# KiCad board MothBox_5.0.3.kicad_pcb
title: Mothbox Mainboard; date: 2025-11-04; rev: 5.0.3; company: Digital Natualisim Laboritory; note: and Parkview
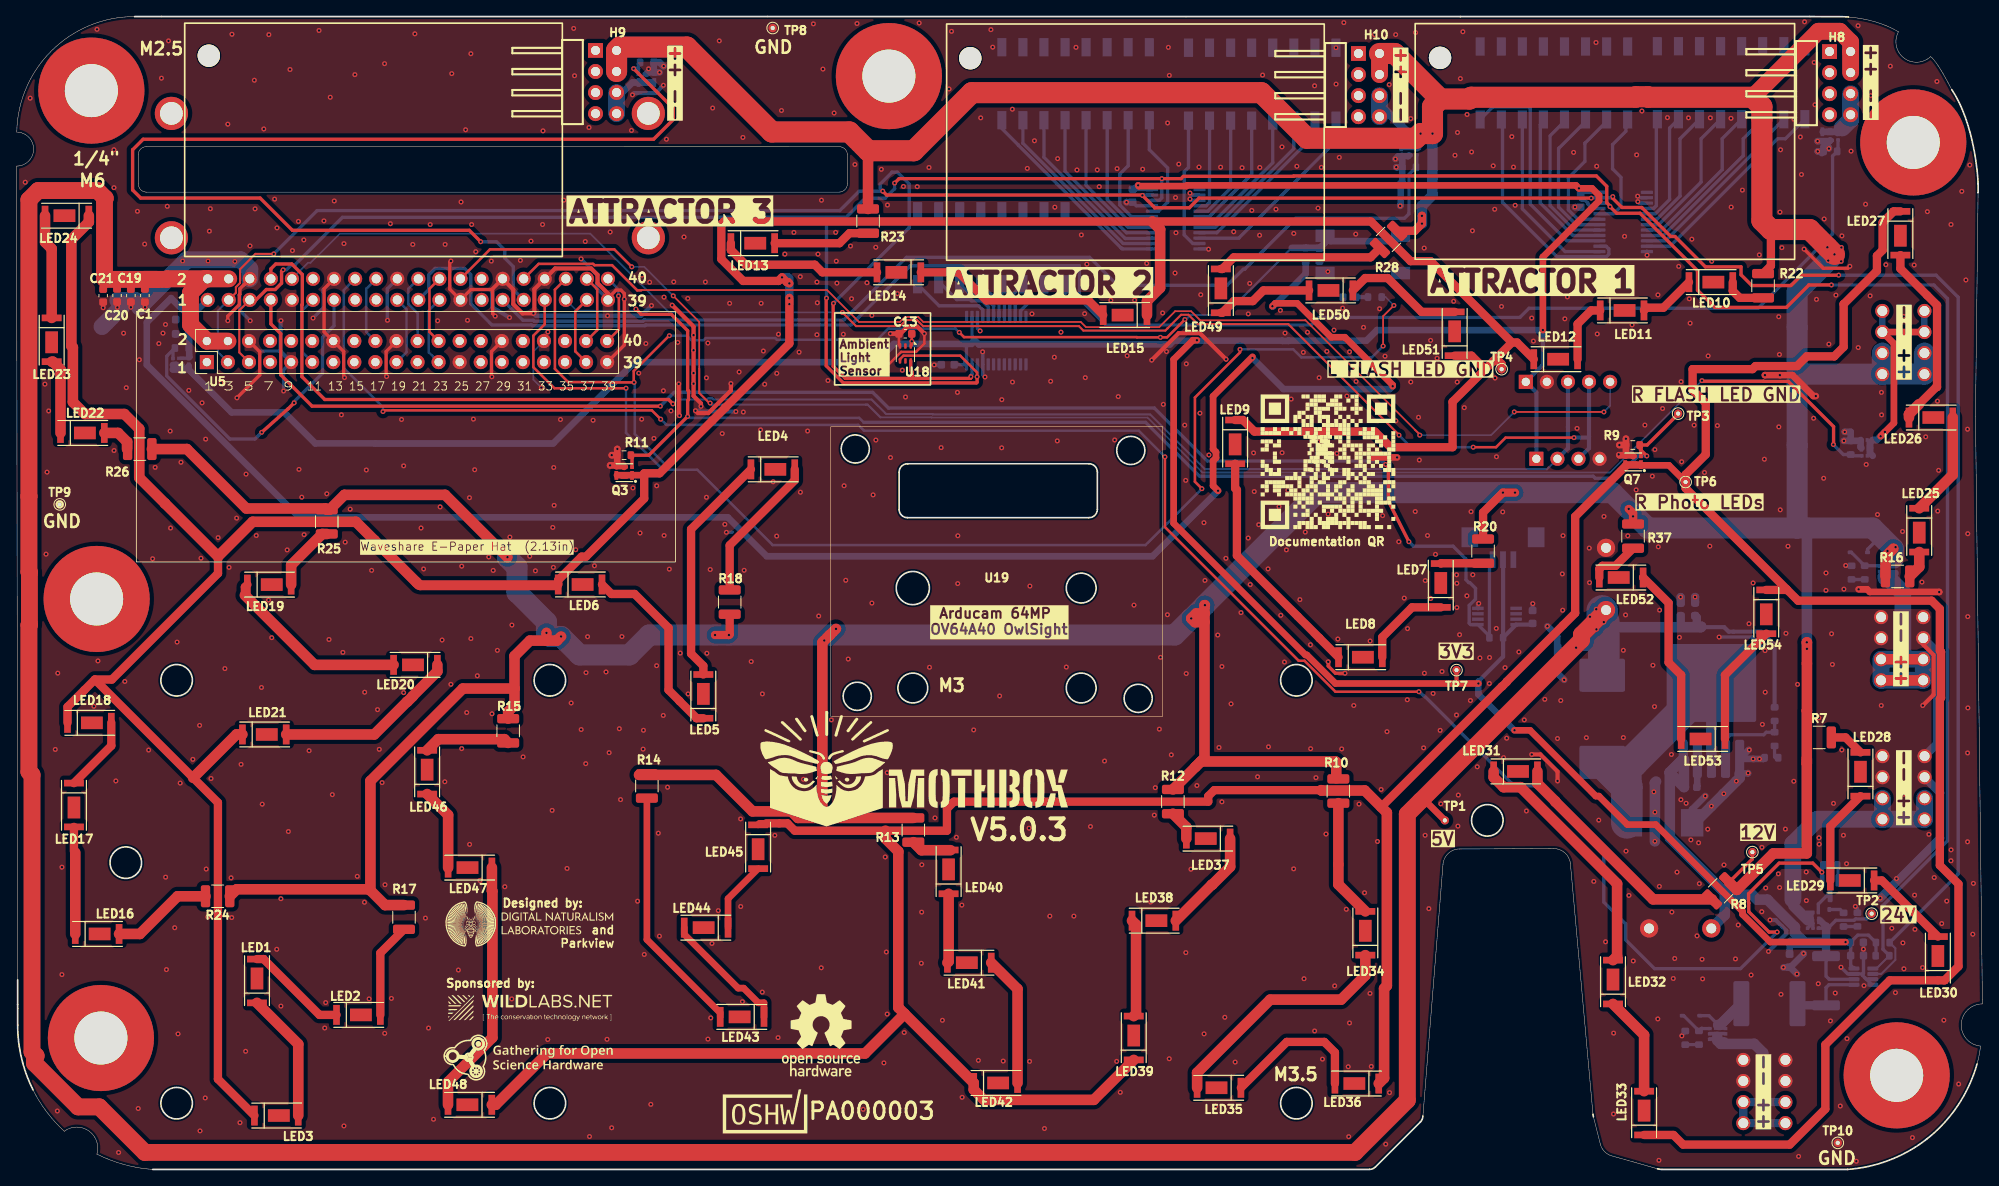
[diagram p0: board, top side]
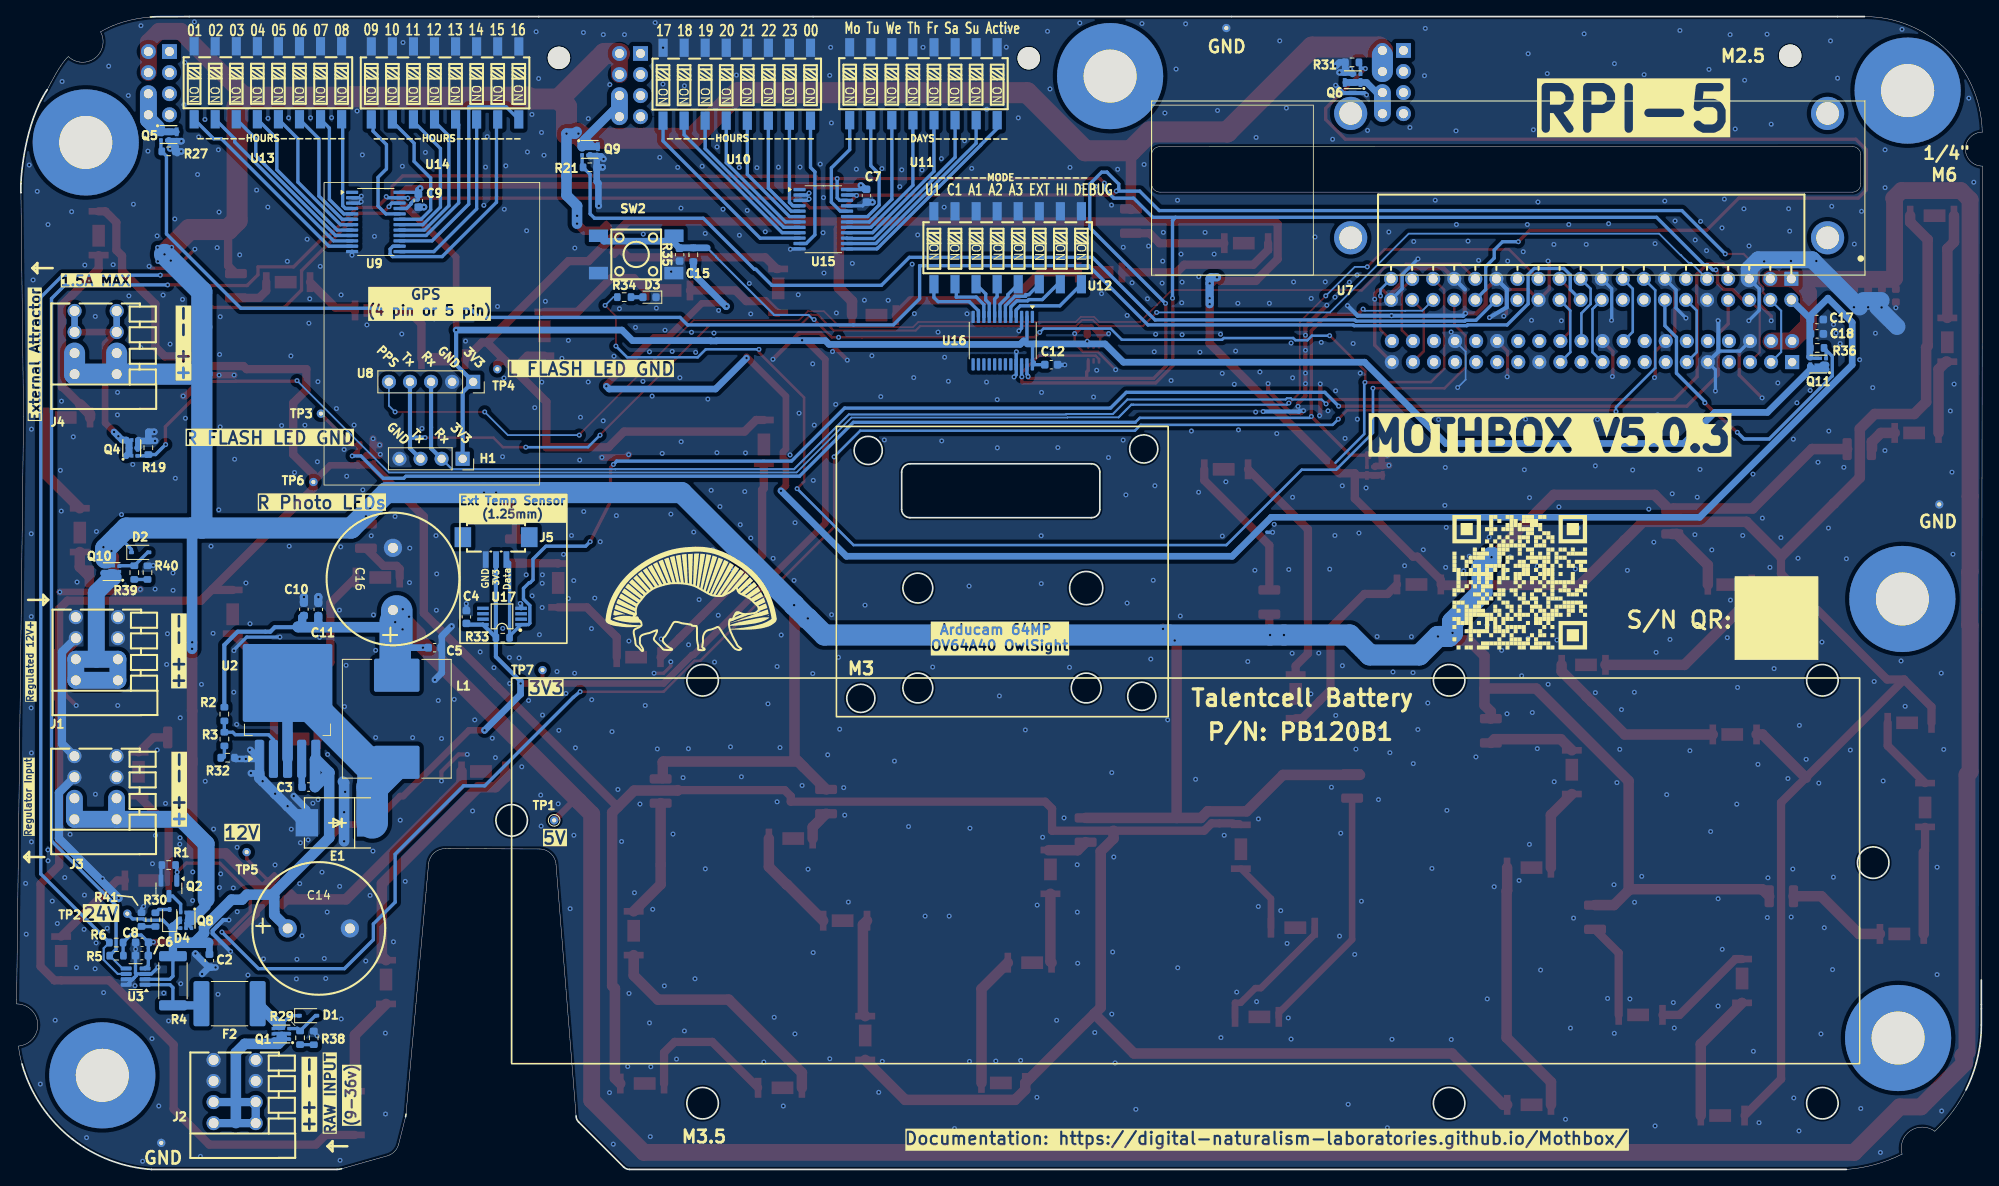
[diagram p1: board, bottom side, seen from below]

Outline 237 x 139.02 mm; copper layers: Top, Bottom. Coordinates in mm from the lower left corner of the outline.
Outline path: circle c13.16,36.99 r1.9 ; circle c19.29,58.99 r1.9 ; circle c19.29,7.99 r1.9 ; circle c64.29,58.99 r1.9 ; circle c64.29,7.99 r1.9 ; circle c154.29,58.99 r1.9 ; circle c154.29,7.99 r1.9 ; circle c177.31,42.09 r1.9 ; 0.13,17.41 0.13,22.84 0,120.99 arc(2.05,123.03) 0.02,125.09 arc(4.27,134.96) 14.22,139.02 17.47,139.02 90.51,139.02 140.96,139.02 174.08,139.02 216.18,139.02 ; 5.74,4.6 arc(8.71,4.64) 9.68,1.84 ; 16.4,0 163.1,0 arc(163.49,0.08) 163.81,0.29 169.26,5.74 arc(169.47,6.06) 169.55,6.44 171.97,36.8 arc(172.6,38.11) 173.96,38.64 185.33,38.69 arc(186.68,38.16) 187.33,36.86 190.05,6.66 arc(190.07,6.5) 190.1,6.35 190.93,3.06 arc(191.44,2.16) 192.33,1.63 197.82,0.08 arc(198.09,0.02) 198.36,0 220.73,0 ; 220.74,0 220.73,0 ; 230.76,134.2 arc(227.54,134.03) 226.88,137.18 ; 236.48,118.87 236.48,117.79 236.16,90.84 237,20.51 237,19.96 ; 236.78,14.87 arc(234.45,17.52) 237,19.96
Stack: Top 0.035mm / dielectric 1.51mm FR4 er 4.5 / Bottom 0.035mm

## Placement (name value [footprint] x y rotation side)
B1  graphic  [Talentcell]  96.01 35.49 0 bottom
C1  10uF  [C_0603_1608Metric]  15.47 105.39 270 top
C2  0.1uF 50V  [C_0603_1608Metric]  213.75 25.18 270 bottom
C3  0.1uF 50V  [C_0603_1608Metric]  201.8 46.11 0 bottom
C4  0.1uF  [C_0603_1608Metric]  182.77 66.62 270 bottom
C5  0.1uF 50V  [C_0603_1608Metric]  186.6 62.92 180 bottom
C6  0.1uF  [C_0603_1608Metric]  221.89 25.79 0 bottom
C7  0.1uF  [C_0603_1608Metric]  134.54 117.42 90 bottom
C8  10uF  [C_0603_1608Metric]  221.88 27.38 0 bottom
C9  0.1uF  [C_0603_1608Metric]  188.57 116.82 90 bottom
C10  10uF  [C_0603_1608Metric]  202.36 67.54 90 bottom
C11  10uF  [C_0603_1608Metric]  200.63 67.53 90 bottom
C12  0.1uF  [C_0603_1608Metric]  112.26 97.04 0 bottom
C13  0.1uF  [C_0603_1608Metric]  107.15 100.77 0 top
C14  1000uF 50V  [CAP-TH_BD16.0-P7.50-D1.2-FD]  200.57 29.06 180 bottom
C15  0.1uF  [C_0603_1608Metric]  157.07 110.31 270 bottom
C16  1000uF 50V  [CAP-TH_BD16.0-P7.50-D1.2-FD]  191.63 71.21 90 bottom
C17  10uF  [C_0603_1608Metric]  19.95 102.49 180 bottom
C18  10uF  [C_0603_1608Metric]  19.94 100.76 180 bottom
C19  10uF  [C_0603_1608Metric]  13.78 105.38 270 top
C20  10uF  [C_0603_1608Metric]  12.11 105.39 270 top
C21  10uF  [C_0603_1608Metric]  10.44 105.37 270 top
D1  6.8V  [D_SOD-323]  201.87 18.54 180 bottom
D2  6.8V  [D_SOD-323]  222.1 74.41 180 bottom
D3  Green  [LED_0603_1608Metric]  160.7 105.18 0 bottom
D4  6.8V  [D_SOD-323]  218.54 30.29 90 bottom
E1  SK54C  [SMC_L6.9-W5.9-LS8.0-RD]  198.31 41.79 0 bottom
F2  7A trip  [Fuse_2920_7451Metric]  211.32 19.99 0 bottom
H1  GPS 4 pin 2.54-1*4P  [PinSocket_1x04_P2.54mm_Vertical]  183.22 85.69 270 bottom
H2  MountingHole_1/4inbolt  [MountingHole_6.4mm_M6_Pad]  228.66 123.84 0 top
H3  MountingHole_1/4inbolt  [MountingHole_6.4mm_M6_Pad]  105.16 131.84 0 top
H4  MountingHole_1/4inbolt  [MountingHole_6.4mm_M6_Pad]  9.01 130.09 0 top
H5  MountingHole_1/4inbolt  [MountingHole_6.4mm_M6_Pad]  9.65 68.79 0 top
H6  MountingHole_1/4inbolt  [MountingHole_6.4mm_M6_Pad]  10.16 15.84 0 top
H7  MountingHole_1/4inbolt  [MountingHole_6.4mm_M6_Pad]  226.66 11.34 0 top
H8  PZ254R-12-8P  [HDR-TH_8P-P2.54-H-M-R2-C4-S2.54]  219.84 130.99 270 top
H9  PZ254R-12-8P  [HDR-TH_8P-P2.54-H-M-R2-C4-S2.54]  71.07 131.13 270 top
H10  PZ254R-12-8P  [HDR-TH_8P-P2.54-H-M-R2-C4-S2.54]  163.05 130.76 270 top
H11  M2.5  [MountingHole_2.7mm]  171.61 134.04 0 top
H12  M2.5  [MountingHole_2.7mm]  114.98 134 0 top
H13  M2.5  [MountingHole_2.7mm]  23.17 134.31 0 top
J1  DB141V-2.54-4P  [CONN-TH_4P-P2.54_DIBO_DB141V-2.54-4P]  227.32 62.79 270 bottom
J2  DB141V-2.54-4P  [CONN-TH_4P-P2.54_DIBO_DB141V-2.54-4P]  210.71 9.39 270 bottom
J3  DB141V-2.54-4P  [CONN-TH_4P-P2.54_DIBO_DB141V-2.54-4P]  227.49 46.03 270 bottom
J4  DB141V-2.54-4P  [CONN-TH_4P-P2.54_DIBO_DB141V-2.54-4P]  227.47 99.71 270 bottom
J5  Conn_1.25mm  [CONN-SMD_3P-P1.25_DF13C-3P-1.25V]  179.2 74.89 0 bottom
L1  5A 47uH  [L_Chilisin_BMRG00131360]  191.16 54.34 90 bottom
LED1  XL-5730UWC-05  [LED-SMD_3P-L5.7-W3.0-RD]  28.98 22.72 90 top
LED2  XL-5730UWC-05  [LED-SMD_3P-L5.7-W3.0-RD]  41.21 18.63 0 top
LED3  XL-5730UWC-05  [LED-SMD_3P-L5.7-W3.0-RD]  31.31 6.49 0 top
LED4  XL-5730UWC-05  [LED-SMD_3P-L5.7-W3.0-RD]  91.17 84.42 0 top
LED5  XL-5730UWC-05  [LED-SMD_3P-L5.7-W3.0-RD]  82.8 57.04 90 top
LED6  XL-5730UWC-05  [LED-SMD_3P-L5.7-W3.0-RD]  67.94 70.54 0 top
LED7  XL-5730UWC-05  [LED-SMD_3P-L5.7-W3.0-RD]  171.7 70.42 90 top
LED8  XL-5730UWC-05  [LED-SMD_3P-L5.7-W3.0-RD]  162.01 61.77 0 top
LED9  XL-5730UWC-05  [LED-SMD_3P-L5.7-W3.0-RD]  146.91 87.73 270 top
LED10  XL-5730UWC-05  [LED-SMD_3P-L5.7-W3.0-RD]  204.26 107 0 top
LED11  XL-5730UWC-05  [LED-SMD_3P-L5.7-W3.0-RD]  193.56 103.59 0 top
LED12  XL-5730UWC-05  [LED-SMD_3P-L5.7-W3.0-RD]  185.55 97.7 0 top
LED13  XL-5730UWC-05  [LED-SMD_3P-L5.7-W3.0-RD]  88.75 111.69 0 top
LED14  XL-5730UWC-05  [LED-SMD_3P-L5.7-W3.0-RD]  106.37 108.18 180 top
LED15  XL-5730UWC-05  [LED-SMD_3P-L5.7-W3.0-RD]  133.64 103.02 180 top
LED16  XL-5730UWC-05  [LED-SMD_3P-L5.7-W3.0-RD]  9.71 28.39 0 top
LED17  XL-5730UWC-05  [LED-SMD_3P-L5.7-W3.0-RD]  6.91 43.94 270 top
LED18  XL-5730UWC-05  [LED-SMD_3P-L5.7-W3.0-RD]  8.78 53.85 0 top
LED19  XL-5730UWC-05  [LED-SMD_3P-L5.7-W3.0-RD]  30.46 70.52 0 top
LED20  XL-5730UWC-05  [LED-SMD_3P-L5.7-W3.0-RD]  48.09 60.84 180 top
LED21  XL-5730UWC-05  [LED-SMD_3P-L5.7-W3.0-RD]  29.86 52.45 0 top
LED22  XL-5730UWC-05  [LED-SMD_3P-L5.7-W3.0-RD]  7.93 88.81 0 top
LED23  XL-5730UWC-05  [LED-SMD_3P-L5.7-W3.0-RD]  4.23 100.04 270 top
LED24  XL-5730UWC-05  [LED-SMD_3P-L5.7-W3.0-RD]  6.07 115.01 180 top
LED25  XL-5730UWC-05  [LED-SMD_3P-L5.7-W3.0-RD]  229.38 77.09 270 top
LED26  XL-5730UWC-05  [LED-SMD_3P-L5.7-W3.0-RD]  230.79 90.67 0 top
LED27  XL-5730UWC-05  [LED-SMD_3P-L5.7-W3.0-RD]  227.11 112.9 270 top
LED28  XL-5730UWC-05  [LED-SMD_3P-L5.7-W3.0-RD]  222.3 47.65 90 top
LED29  XL-5730UWC-05  [LED-SMD_3P-L5.7-W3.0-RD]  221.3 34.84 180 top
LED30  XL-5730UWC-05  [LED-SMD_3P-L5.7-W3.0-RD]  231.63 25.44 90 top
LED31  XL-5730UWC-05  [LED-SMD_3P-L5.7-W3.0-RD]  180.71 47.99 0 top
LED32  XL-5730UWC-05  [LED-SMD_3P-L5.7-W3.0-RD]  192.46 22.59 90 top
LED33  XL-5730UWC-05  [LED-SMD_3P-L5.7-W3.0-RD]  196.21 6.79 90 top
LED34  XL-5730UWC-05  [LED-SMD_3P-L5.7-W3.0-RD]  162.6 28.48 90 top
LED35  XL-5730UWC-05  [LED-SMD_3P-L5.7-W3.0-RD]  144.96 9.84 180 top
LED36  XL-5730UWC-05  [LED-SMD_3P-L5.7-W3.0-RD]  161.58 10.36 180 top
LED37  XL-5730UWC-05  [LED-SMD_3P-L5.7-W3.0-RD]  143.66 39.89 180 top
LED38  XL-5730UWC-05  [LED-SMD_3P-L5.7-W3.0-RD]  137.11 29.99 0 top
LED39  XL-5730UWC-05  [LED-SMD_3P-L5.7-W3.0-RD]  134.69 15.84 90 top
LED40  XL-5730UWC-05  [LED-SMD_3P-L5.7-W3.0-RD]  112.36 35.88 90 top
LED41  XL-5730UWC-05  [LED-SMD_3P-L5.7-W3.0-RD]  114.86 24.93 180 top
LED42  XL-5730UWC-05  [LED-SMD_3P-L5.7-W3.0-RD]  118.04 10.43 0 top
LED43  XL-5730UWC-05  [LED-SMD_3P-L5.7-W3.0-RD]  87.47 18.39 180 top
LED44  XL-5730UWC-05  [LED-SMD_3P-L5.7-W3.0-RD]  83.13 29.15 180 top
LED45  XL-5730UWC-05  [LED-SMD_3P-L5.7-W3.0-RD]  89.4 38.91 270 top
LED46  XL-5730UWC-05  [LED-SMD_3P-L5.7-W3.0-RD]  49.5 47.9 90 top
LED47  XL-5730UWC-05  [LED-SMD_3P-L5.7-W3.0-RD]  54.66 36.39 180 top
LED48  XL-5730UWC-05  [LED-SMD_3P-L5.7-W3.0-RD]  54.65 7.79 180 top
LED49  XL-5730UWC-05  [LED-SMD_3P-L5.7-W3.0-RD]  145.19 105.95 90 top
LED50  XL-5730UWC-05  [LED-SMD_3P-L5.7-W3.0-RD]  158.46 106 180 top
LED51  XL-5730UWC-05  [LED-SMD_3P-L5.7-W3.0-RD]  173.38 100.77 90 top
LED52  XL-5730UWC-05  [LED-SMD_3P-L5.7-W3.0-RD]  193.45 71.38 180 top
LED53  XL-5730UWC-05  [LED-SMD_3P-L5.7-W3.0-RD]  203.32 51.91 180 top
LED54  XL-5730UWC-05  [LED-SMD_3P-L5.7-W3.0-RD]  210.94 67.24 270 top
Q1  JMTV210P02A  [U-DFN2020-6_L2.0-W2.0-P0.65-BL]  205.08 16.36 90 bottom
Q2  AO3400A  [SOT-23]  218.64 33.9 270 bottom
Q3  YJQ10N2A  [U-DFN2020-6_L2.0-W2.0-P0.65-BL]  73.25 84.04 90 top
Q4  YJQ10N2A  [U-DFN2020-6_L2.0-W2.0-P0.65-BL]  223.1 87.01 180 bottom
Q5  YJQ10N2A  [U-DFN2020-6_L2.0-W2.0-P0.65-BL]  218.65 124.78 270 bottom
Q6  YJQ10N2A  [U-DFN2020-6_L2.0-W2.0-P0.65-BL]  75.93 131.43 90 bottom
Q7  YJQ10N2A  [U-DFN2020-6_L2.0-W2.0-P0.65-BL]  194.89 85.34 90 top
Q8  JMTV210P02A  [U-DFN2020-6_L2.0-W2.0-P0.65-BL]  216.59 30.04 0 bottom
Q9  YJQ10N2A  [U-DFN2020-6_L2.0-W2.0-P0.65-BL]  167.87 122.98 270 bottom
Q10  JMTV210P02A  [U-DFN2020-6_L2.0-W2.0-P0.65-BL]  225.57 72.12 90 bottom
Q11  JMTV210P02A  [U-DFN2020-6_L2.0-W2.0-P0.65-BL]  19.8 97.14 90 bottom
R1  10K  [R_0603_1608Metric]  218.66 36.7 0 bottom
R2  10K  [R_0603_1608Metric]  211.95 54.91 270 bottom
R3  3.0K  [R_0603_1608Metric]  211.95 51.9 270 bottom
R4  0.033R/1%  [R_2512_6332Metric]  218.15 22.75 270 bottom
R5  4.7K  [R_0603_1608Metric]  224.95 25.77 180 bottom
R6  4.7K  [R_0603_1608Metric]  224.99 27.36 180 bottom
R7  18R  [R_1210_3225Metric]  217.32 52.09 0 top
R8  18R  [R_1210_3225Metric]  205.43 33.6 225 top
R9  10K  [R_0603_1608Metric]  194.86 87.36 180 top
R10  18R  [R_1210_3225Metric]  159.35 45.63 270 top
R11  10K  [R_0603_1608Metric]  73.23 86.13 180 top
R12  18R  [R_1210_3225Metric]  139.41 44.36 270 top
R13  18R  [R_1210_3225Metric]  108.11 40.92 270 top
R14  18R  [R_1210_3225Metric]  75.99 46.24 270 top
R15  18R  [R_1210_3225Metric]  59.26 52.89 270 top
R16  18R  [R_1210_3225Metric]  226.78 71.51 0 top
R17  18R  [R_1210_3225Metric]  46.71 30.41 270 top
R18  18R  [R_1210_3225Metric]  85.97 68.41 90 top
R19  10K  [R_0603_1608Metric]  221.12 87.03 90 bottom
R20  18R  [R_1210_3225Metric]  176.8 74.56 270 top
R21  10K  [R_0603_1608Metric]  167.88 120.85 180 bottom
R22  18R  [R_1210_3225Metric]  210.55 106.56 270 top
R23  18R  [R_1210_3225Metric]  102.65 114.36 270 top
R24  18R  [R_1210_3225Metric]  24.24 32.94 180 top
R25  18R  [R_1210_3225Metric]  37.39 78.1 270 top
R26  18R  [R_1210_3225Metric]  14.85 86.87 180 top
R27  10K  [R_0603_1608Metric]  218.67 122.77 180 bottom
R28  18R  [R_1210_3225Metric]  165.4 112.15 225 top
R29  10K  [R_0603_1608Metric]  202.83 15.87 270 bottom
R30  10K  [R_0603_1608Metric]  220.26 30.12 90 bottom
R31  10K  [R_0603_1608Metric]  75.99 133.5 0 bottom
R32  0R  [R_0603_1608Metric]  211.56 49.65 180 bottom
R33  4.7K  [R_0603_1608Metric]  178.39 64.12 180 bottom
R34  3.0K  [R_0603_1608Metric]  163.75 105.19 180 bottom
R35  10K  [R_0603_1608Metric]  155.41 110.31 90 bottom
R36  10K  [R_0603_1608Metric]  19.92 99.06 180 bottom
R37  18R  [R_1210_3225Metric]  194.88 76.37 270 top
R38  4.7K  [R_0603_1608Metric]  201.18 15.87 90 bottom
R39  10K  [R_0603_1608Metric]  222.81 71.98 270 bottom
R40  4.7K  [R_0603_1608Metric]  221.22 71.97 90 bottom
R41  4.7K  [R_0603_1608Metric]  221.94 30.13 270 bottom
SW2  KH-6X6X5H-STM  [SW-SMD_4P-L6.0-W6.0-P4.50-LS9.0_H5.0]  162.3 110.34 180 bottom
TP1  5V_test  [TestPoint_THTPad_D1.0mm_Drill0.5mm]  172.19 42.09 180 bottom
TP2  24V_test  [TestPoint_THTPad_D1.0mm_Drill0.5mm]  223.65 30.84 0 top
TP3  LEDCTRL  [TestPoint_THTPad_D1.0mm_Drill0.5mm]  200.31 91.14 180 top
TP4  LED L GND  [TestPoint_THTPad_D1.0mm_Drill0.5mm]  179.04 96.5 0 top
TP5  12V_test  [TestPoint_THTPad_D1.0mm_Drill0.5mm]  209.27 38.26 0 top
TP6  LED R GND  [TestPoint_THTPad_D1.0mm_Drill0.5mm]  201.22 82.89 180 top
TP7  3.3V  [TestPoint_THTPad_D1.0mm_Drill0.5mm]  173.59 60.21 0 top
TP8  GND  [TestPoint_THTPad_D1.0mm_Drill0.5mm]  91.16 137.64 0 top
TP9  GND  [TestPoint_THTPad_D1.0mm_Drill0.5mm]  5.2 80.2 0 top
TP10  GND  [TestPoint_THTPad_D1.0mm_Drill0.5mm]  219.57 3.2 0 top
U2  XL4015E1  [TO-263-5_TabPin3]  204.33 57.16 90 bottom
U3  INA219BIDCNT  [SOT-23-8]  222.65 23.25 0 bottom
U5  RASPBERRY_PI_5  [EPAPER_PinHeader_2x20_P2.54mm_Vertical]  22.94 97.36 90 top
U6  RASPBERRY_PI_4B_4GB  [MODULE_RASPBERRY_PI_4B_4GB_Sideways]  57.16 120.84 0 bottom
U7  Female Inv Socket Pi 2.54-2*20  [HDR-TH_40P-P2.54-H-F-R2-C20-W8.5]  47.16 106.13 0 bottom
U8  GPs 5 pin PM2.54-1*5  [PinSocket_1x05_P2.54mm_Vertical]  181.95 94.97 270 bottom
U9  PCA9555PW  [TSSOP-24_4.4x7.8mm_P0.65mm]  193.69 114.25 180 bottom
U10  Days  [SW-SMD_SMXS-08K-TP]  150.18 130.87 0 bottom
U11  Hours3  [SW-SMD_SMXS-08K-TP]  127.67 130.93 0 bottom
U12  MODE  [SW-SMD_SMXS-08K-TP]  117.51 111.14 0 bottom
U13  Hours1  [SW-SMD_SMXS-08K-TP]  206.7 131.04 0 bottom
U14  Hours2  [SW-SMD_SMXS-08K-TP]  185.35 131.02 0 bottom
U15  PCA9555PW  [TSSOP-24_4.4x7.8mm_P0.65mm]  139.75 114.58 180 bottom
U16  PCA9555PW  [TSSOP-24_4.4x7.8mm_P0.65mm]  118.11 99.94 270 bottom
U17  DS18B20U  [MSOP-8_L3.0-W3.0-P0.65-LS4.9-BL]  178.47 66.68 90 bottom
U18  LTR-303ALS-01  [Lite-On_LTR-303ALS-01]  107.15 98.4 270 top
U19  graphic  [Arducam Owlsight]  118.16 71.84 180 top

## Library data of the parts
C1 C8 C10 C11 C17-C21 = -: Description: Unpolarized capacitor, small symbol; LCSC_Part: C19702; ki_fp_filters: C_*
C2 C3 C5 = -: Description: 50V 0.1uF X7R ±10% 0805 Multilayer Ceramic Capacitors MLCC - SMD/SMT ROHS; LCSC_Part: C14663; ki_fp_filters: C_*
C4 C7 C9 C12 C13 = -: Description: Unpolarized capacitor, small symbol; Digikey_Part_No: 311-1140-2-ND; LCSC_Part: C14663; ki_fp_filters: C_*
C6 C15 = -: Datasheet: https://lcsc.com/product-detail/Multilayer-Ceramic-Capacitors-MLCC-SMD-SMT_100nF-104-10-50V_C14663.html; Description: Unpolarized capacitor, small symbol; LCSC_Part: C14663; ki_fp_filters: C_*
C14 C16 = -: Datasheet: https://lcsc.com/product-detail/Aluminum-Electrolytic-Capacitors-Leaded_1000uF-20-50V_C106656.html; LCSC_Part: C106656; ki_fp_filters: CP_*
D1 D2 D4 = -: Description: Zener diode, small symbol; DESCRIPTION: BZT52C6V8S; LCSC_Part: C46641604; ki_fp_filters: TO-???* *_Diode_* *SingleDiode* D_*
D3 = -: LCSC: C72043; ki_fp_filters: LED* LED_SMD:* LED_THT:*
E1 = -: Description: Independent Type 5A 550mV@5A 40V SMC Diodes - General Purpose ROHS; MF: Taiwan Semiconductor; MAXIMUM_PACKAGE_HEIGHT: 2.65mm; Package: DO-214AB-2 Taiwan Semiconductor; Price: None; Check_prices: https://www.snapeda.com/parts/SK54C/taiwan/view-part/?ref=eda; STANDARD: Manufacturer Recommendations; PARTREV: S2311; SnapEDA_Link: https://www.snapeda.com/parts/SK54C/taiwan/view-part/?ref=snap; Description_1: 5A, 40V, Schottky Rectifier; Availability: In Stock; MANUFACTURER: Taiwan Semiconductor; LCSC_Part: C5449119
F2 = -: Description: Resettable fuse, polymeric positive temperature coefficient, small symbol; LCSC_Part: C22363536; ki_fp_filters: *polyfuse* *PTC*
H1 = -: LCSC_Part: C2718488
H2-H7 H11-H13 = -: Description: Mounting Hole without connection; ki_fp_filters: MountingHole*
H8-H10 = -: Datasheet: https://lcsc.com/product-detail/Pin-Header-Female-Header_XFCN-PZ254R-12-8P_C492432.html; LCSC_Part: C492432
J1-J4 = -: Description: Generic connector, single row, 01x04, script generated (kicad-library-utils/schlib/autogen/connector/); LCSC_Part: C2898746; ki_fp_filters: Connector*:*_1x??_*
J5 = -: Description: Generic connector, single row, 01x03, script generated; LCSC: C88352; ki_fp_filters: Connector*:*_1x??_*
L1 = -: Description: 5A 47uH Integrated molded inductor ±20% SMD,13.8x12.6x6.5mm Power Inductors ROHS; LCSC_Part: C497913; ki_fp_filters: Choke_* *Coil* Inductor_* L_*
LED1-LED54 = -: LCSC_Part: C2843887
Q1 Q8 Q10 Q11 = -: Datasheet: http://www.vishay.com/docs/70209/70209.pdf; Description: -4.0A Id, -30V Vds, P-Channel MOSFET, SOT-23; LCSC_Part: C2938482; ki_fp_filters: SOT?23*
Q2 = -: Datasheet: http://www.aosmd.com/pdfs/datasheet/AO3400A.pdf; Description: 30V Vds, 5.7A Id, N-Channel MOSFET, SOT-23; LCSC_Part: C2938367; ki_fp_filters: SOT?23*
Q3-Q7 Q9 = -: Description: 20V Vds, 10V Vgs, 13A Id, 9.5m Ohm, N-Channel MOSFET, DFN2020-3; LCSC_Part: C919558; ki_fp_filters: SOT?23*
R1 R2 R9 R11 R19 R21 R27 R29-R31 R33 R35 R36 = -: Description: Resistor, small symbol; LCSC_Part: C25804; ki_fp_filters: R_*
R3 R34 = -: Description: Resistor, small symbol; LCSC_Part: C4211; ki_fp_filters: R_*
R4 = -: LCSC_Part: C875726
R5 R6 = -: LCSC_Part: C23162
R7 R8 R10 R12-R18 R20 R22-R26 R28 R37 = -: Description: CL1210FN18RP; LCSC_Part: C48392080; ki_fp_filters: R_*
R32 = -: Description: Resistor, small symbol; LCSC_Part: C21189; ki_fp_filters: R_*
R38 R40 R41 = -: Description: Resistor, small symbol; LCSC Part: C2930027; LCSC_Part: C23162; ki_fp_filters: R_*
R39 = -: Description: Resistor, small symbol; LCSC Part: C2930027; LCSC_Part: C25804; ki_fp_filters: R_*
SW2 = -: LCSC Part: C455095
TP1-TP10 = -: Description: test point; ki_fp_filters: Pin* Test*
U2 = -: Datasheet: https://lcsc.com/product-detail/DC-DC-Converters_XL4015E1_C51661.html; MF: XLSEMI; MAXIMUM_PACKAGE_HEIGHT: 4.77mm; Package: None; Price: None; Check_prices: https://www.snapeda.com/parts/XL4015/XLSEMI/view-part/?ref=eda; STANDARD: Manufacturer Recommendations; PARTREV: 1.5; SnapEDA_Link: https://www.snapeda.com/parts/XL4015/XLSEMI/view-part/?ref=snap; MP: XL4015; Description_1: 5A 180KHz 36V Buck DC to DC Converter; Availability: Not in stock; MANUFACTURER: XLSEMI; LCSC_Part: C51661
U3 = -: Datasheet: https://lcsc.com/product-detail/PMIC-Current-Power-Monitors-Regulators_TI_INA219AIDCNR_INA219AIDCNR_C87469.html; LCSC_Part: C87469
U5 = -: MF: Raspberry Pi; LCSC_Part: C5224014
U6 = -: MF: Raspberry Pi; MAXIMUM_PACKAGE_HEIGHT: 16 mm; Package: None; Price: None; Check_prices: https://www.snapeda.com/parts/RASPBERRY%20PI%204B/4GB/Raspberry+Pi/view-part/?ref=eda; STANDARD: Manufacturer Recommendations; PARTREV: 4; SnapEDA_Link: https://www.snapeda.com/parts/RASPBERRY%20PI%204B/4GB/Raspberry+Pi/view-part/?ref=snap; MP: RASPBERRY PI 4B/4GB; Description_1: BCM2711 Raspberry Pi 4 Model B 4GB - ARM® Cortex®-A72 MPU Embedded Evaluation Board; Availability: Not in stock; SNAPEDA_PN: RASPBERRY PI 4B/4GB; Digikey_Part_No: SC1113
U7 = -: LCSC_Part: C2897440
U8 = -: LCSC_Part: C5116488
U9 U15 = -: LCSC_Part: C42420607
U10-U14 = -: LCSC_Part: C5439767
U16 = -: LCSC_Part: C42420607; LCSC: C128392
U17 = -: Datasheet: https://lcsc.com/product-detail/Temperature-Sensors_UMW-Youtai-Semiconductor-Co-Ltd-DS18B20U_C695836.html; LCSC Part: C695836
U18 = -: Datasheet: https://optoelectronics.liteon.com/upload/download/DS86-2013-0004/LTR-303ALS-01_DS_V1.pdf; Description: ambient light sensor, i2c interface, 0.01 to 64k lux, 2.4-3.6V; ki_fp_filters: Lite*On*LTR*303ALS*01*

## Footprints (pads in the part's own frame, mm; a bottom-side part is the same pattern mirrored in y, then rotated)
C_0603_1608Metric
  rrect 0.9x0.95 smd: 1(-0.775,0) 2(0.775,0)
CAP-TH_BD16.0-P7.50-D1.2-FD
  round 2.2 hole 1.2: 1(-3.75,0) 2(3.75,0)
CONN-SMD_3P-P1.25_DF13C-3P-1.25V
  rect 0.7x2 smd: 1(-1.25,1.35) 2(0,1.35) 3(1.25,1.35)
  rect 2x2.4 smd: 4(4,-1.35) 5(-4,-1.35)
CONN-TH_4P-P2.54_DIBO_DB141V-2.54-4P
  round 1.7 hole 1.2: 1(-3.81,-2.54) 1(-3.81,2.54) 2(-1.27,-2.54) 2(-1.27,2.54) 3(1.27,-2.54) 3(1.27,2.54) 4(3.81,-2.54) 4(3.81,2.54)
D_SOD-323
  rrect 0.6x0.45 smd: 1(-1.05,0) 2(1.05,0)
EPAPER_PinHeader_2x20_P2.54mm_Vertical
  rect 1.7x1.7 hole 1: 1(0,0)
  round 1.7 hole 1: 2(2.54,0) 3(0,-2.54) 4(2.54,-2.54) 5(0,-5.08) 6(2.54,-5.08) 7(0,-7.62) 8(2.54,-7.62) 9(0,-10.16) 10(2.54,-10.16) 11(0,-12.7) 12(2.54,-12.7) 13(0,-15.24) 14(2.54,-15.24) 15(0,-17.78) 16(2.54,-17.78) 17(0,-20.32) 18(2.54,-20.32) 19(0,-22.86) 20(2.54,-22.86) 21(0,-25.4) 22(2.54,-25.4) 23(0,-27.94) 24(2.54,-27.94) 25(0,-30.48) 26(2.54,-30.48) 27(0,-33.02) 28(2.54,-33.02) 29(0,-35.56) 30(2.54,-35.56) 31(0,-38.1) 32(2.54,-38.1) 33(0,-40.64) 34(2.54,-40.64) 35(0,-43.18) 36(2.54,-43.18) 37(0,-45.72) 38(2.54,-45.72) 39(0,-48.26) 40(2.54,-48.26)
Fuse_2920_7451Metric
  rrect 1.925x5.45 smd: 1(-3.388,0) 2(3.388,0)
HDR-TH_8P-P2.54-H-M-R2-C4-S2.54
  rect 1.78x1.8 hole 1.1: 1(-3.81,-1.27)
  round 1.8 hole 1.1: 2(-3.81,1.27) 3(-1.27,-1.27) 4(-1.27,1.27) 5(1.27,-1.27) 6(1.27,1.27) 7(3.81,-1.27) 8(3.81,1.27)
HDR-TH_40P-P2.54-H-F-R2-C20-W8.5
  rect 1.7x1.7 hole 1.1: 1(-24.13,-1.27)
  round 1.7 hole 1.1: 2(-24.13,1.27) 3(-21.59,-1.27) 4(-21.59,1.27) 5(-19.05,-1.27) 6(-19.05,1.27) 7(-16.51,-1.27) 8(-16.51,1.27) 9(-13.97,-1.27) 10(-13.97,1.27) 11(-11.43,-1.27) 12(-11.43,1.27) 13(-8.89,-1.27) 14(-8.89,1.27) 15(-6.35,-1.27) 16(-6.35,1.27) 17(-3.81,-1.27) 18(-3.81,1.27) 19(-1.27,-1.27) 20(-1.27,1.27) 21(1.27,-1.27) 22(1.27,1.27) 23(3.81,-1.27) 24(3.81,1.27) 25(6.35,-1.27) 26(6.35,1.27) 27(8.89,-1.27) 28(8.89,1.27) 29(11.43,-1.27) 30(11.43,1.27) 31(13.97,-1.27) 32(13.97,1.27) 33(16.51,-1.27) 34(16.51,1.27) 35(19.05,-1.27) 36(19.05,1.27) 37(21.59,-1.27) 38(21.59,1.27) 39(24.13,-1.27) 40(24.13,1.27)
L_Chilisin_BMRG00131360
  rrect 4x5.5 smd: 1(-5.25,0) 2(5.25,0)
LED-SMD_3P-L5.7-W3.0-RD
  rect 0.8x2.4 smd: 1(-2.64,0) 2(2.64,0)
  rect 2.63x1.52 smd: 3(0.3,0)
LED_0603_1608Metric
  rrect 0.875x0.95 smd: 1(-0.788,0) 2(0.788,0)
Lite-On_LTR-303ALS-01
  rrect 0.65x0.3 smd: 1(-0.9,0.65) 2(-0.9,0) 3(-0.9,-0.65) 4(0.9,-0.65) 5(0.9,0) 6(0.9,0.65)
MODULE_RASPBERRY_PI_4B_4GB_Sideways
  round 4 hole 2.75: S1(-38.5,8.5) S2(19,8.5) S3(-38.5,-6.5) S3(19,-6.5)
MountingHole_2.7mm
  round 2.7 hole 2.7 unplated: (0,0)
MountingHole_6.4mm_M6_Pad
  round 12.8 hole 6.4: 1(0,0)
MSOP-8_L3.0-W3.0-P0.65-LS4.9-BL
  rect 0.41x1.4 smd: 1(-0.98,-2.3) 2(-0.33,-2.3) 3(0.33,-2.3) 4(0.98,-2.3) 5(0.98,2.3) 6(0.33,2.3) 7(-0.33,2.3) 8(-0.98,2.3)
PinSocket_1x04_P2.54mm_Vertical
  rect 1.7x1.7 hole 1: 1(0,0)
  round 1.7 hole 1: 2(0,-2.54) 3(0,-5.08) 4(0,-7.62)
PinSocket_1x05_P2.54mm_Vertical
  rect 1.7x1.7 hole 1: 1(0,0)
  round 1.7 hole 1: 2(0,-2.54) 3(0,-5.08) 4(0,-7.62) 5(0,-10.16)
R_0603_1608Metric
  rrect 0.8x0.95 smd: 1(-0.825,0) 2(0.825,0)
R_1210_3225Metric
  rrect 1.125x2.65 smd: 1(-1.462,0) 2(1.462,0)
R_2512_6332Metric
  rrect 1.225x3.35 smd: 1(-2.962,0) 2(2.962,0)
SMC_L6.9-W5.9-LS8.0-RD
  rect 2.7x3.3 smd: 1(-3.69,0) 2(3.69,0)
SOT-23
  rrect 1.475x0.6 smd: 1(-0.938,0.95) 2(-0.938,-0.95) 3(0.938,0)
SOT-23-8
  rrect 1.325x0.5 smd: 1(-1.137,0.975) 2(-1.137,0.325) 3(-1.137,-0.325) 4(-1.137,-0.975) 5(1.137,-0.975) 6(1.137,-0.325) 7(1.137,0.325) 8(1.137,0.975)
SW-SMD_4P-L6.0-W6.0-P4.50-LS9.0_H5.0
  rect 2.3x1.5 smd: 1(-4.55,2.25) 2(4.55,2.25) 3(-4.55,-2.25) 4(4.55,-2.25)
SW-SMD_SMXS-08K-TP
  rect 1.1x2.2 smd: 1(-8.89,-4.4) 2(-6.35,-4.4) 3(-3.81,-4.4) 4(-1.27,-4.4) 5(1.27,-4.4) 6(3.81,-4.4) 7(6.35,-4.4) 8(8.89,-4.4) 9(8.89,4.4) 10(6.35,4.4) 11(3.81,4.4) 12(1.27,4.4) 13(-1.27,4.4) 14(-3.81,4.4) 15(-6.35,4.4) 16(-8.89,4.4)
TestPoint_THTPad_D1.0mm_Drill0.5mm
  round 1 hole 0.5: 1(0,0)
TO-263-5_TabPin3
  rrect 4.55x5.25 smd: (-0.925,-2.775) (-0.925,2.775) (3.925,-2.775) (3.925,2.775)
  rrect 4.6x1.1 smd: 1(-7.65,3.4) 2(-7.65,1.7) 3(-7.65,0) 4(-7.65,-1.7) 5(-7.65,-3.4)
  rrect 9.4x10.8 smd: 3(1.5,0)
TSSOP-24_4.4x7.8mm_P0.65mm
  rrect 1.475x0.4 smd: 1(-2.862,3.575) 2(-2.862,2.925) 3(-2.862,2.275) 4(-2.862,1.625) 5(-2.862,0.975) 6(-2.862,0.325) 7(-2.862,-0.325) 8(-2.862,-0.975) 9(-2.862,-1.625) 10(-2.862,-2.275) 11(-2.862,-2.925) 12(-2.862,-3.575) 13(2.862,-3.575) 14(2.862,-2.925) 15(2.862,-2.275) 16(2.862,-1.625) 17(2.862,-0.975) 18(2.862,-0.325) 19(2.862,0.325) 20(2.862,0.975) 21(2.862,1.625) 22(2.862,2.275) 23(2.862,2.925) 24(2.862,3.575)
U-DFN2020-6_L2.0-W2.0-P0.65-BL
  rect 0.4x0.45 smd: 1(-0.68,-0.95) 2(-0.02,-0.95) 3(0.63,-0.95) 4(0.63,0.95) 5(-0.02,0.95) 6(-0.68,0.95)
  rect 0.4x0.91 smd: 7(0.68,0)
  rect 0.81x0.91 smd: 8(-0.35,0)
